# EAGLE board Mk4 Final Panel (EAGLE 9.0.1), part 11 of 18 (continued)
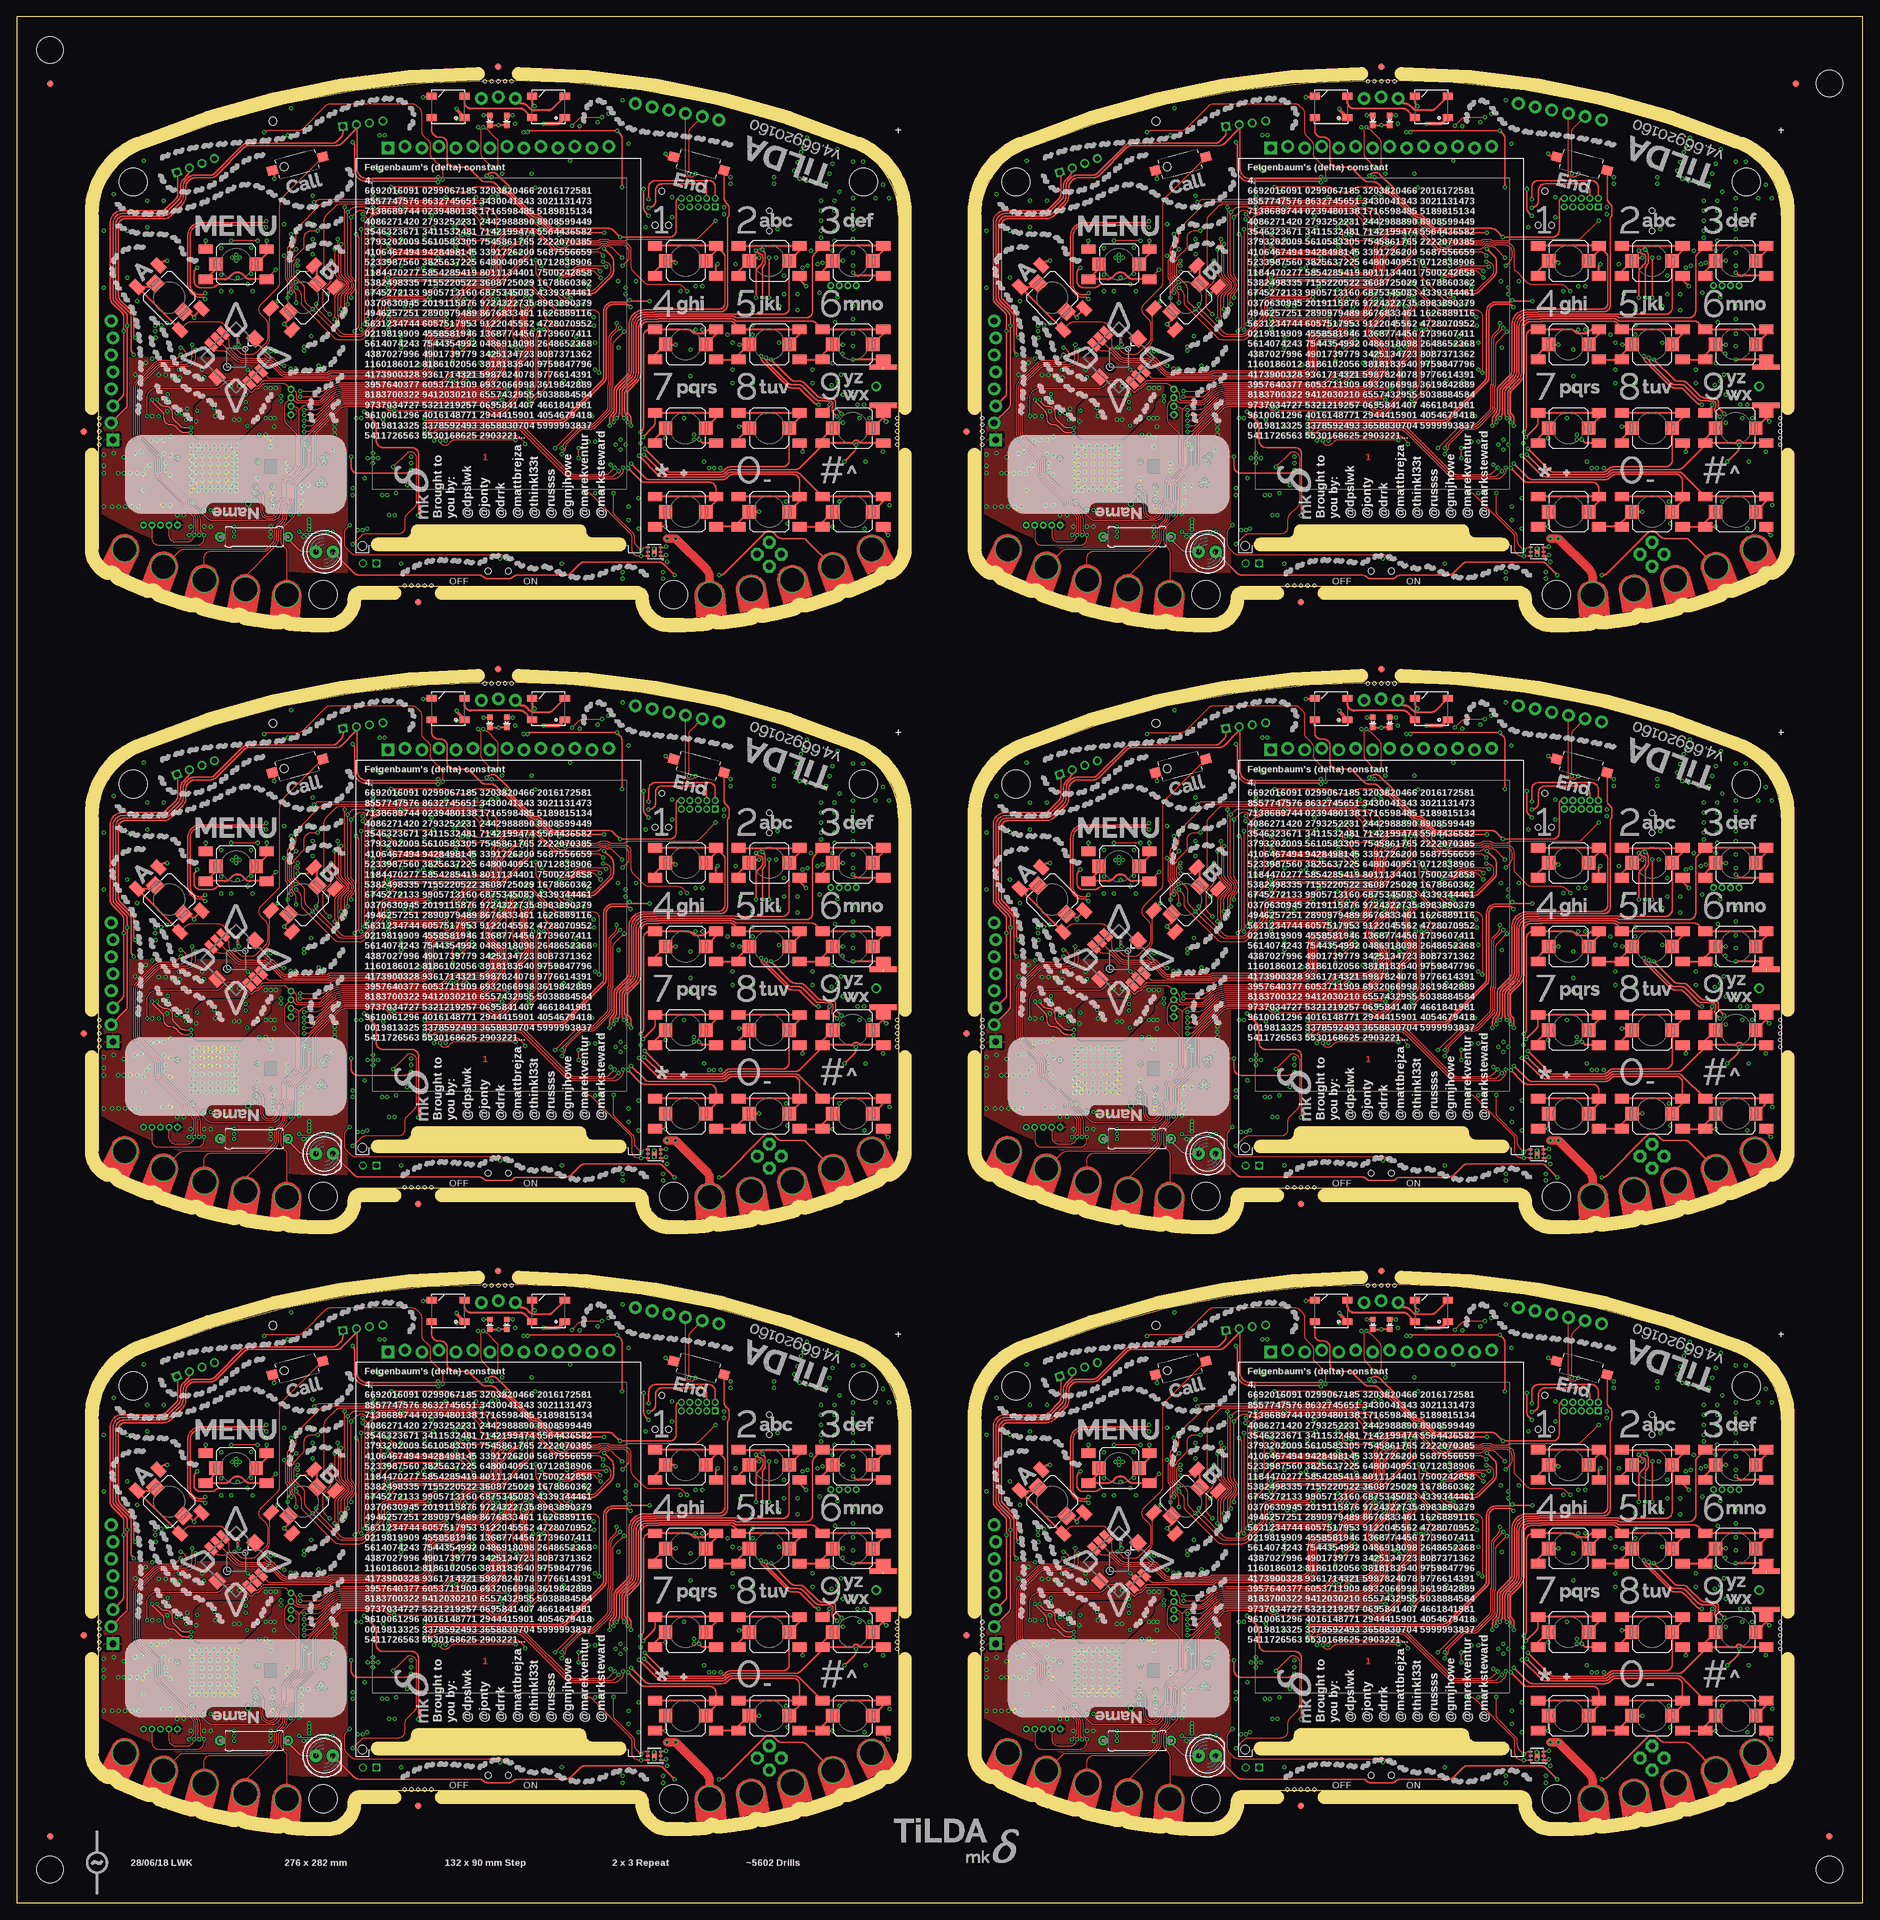
[diagram p0: board, top side]
## Tracks (layer width: path | path; a pad name or v marks a point on that pad's centre or on a via) (continued)
LED2_R5  (via drill 0.3)
  Top 0.25: LED34.A v201.83,267.25
  Bottom 0.25: v201.83,267.25 201.9,267.25 202.48,267.25 R396.1
LED3  (via drill 0.3)
  Top 0.15: v204,79.5 204,83.09 arc45 203.71,83.79 202.38,85.12 202.24,85.12 201.86,85.5 v201.75,85.5
  Bottom 0.15: IC20.86 206.2,73.22 arc90 205.5,73.92 arc-90 205,74.42 205,75.29 arc45 204.71,75.99 204.29,76.41 arc-45 204,77.11 v204,79.5 | R83.2 204.79,85.52 arc-45 204.08,85.22 202.03,85.22 v201.75,85.5
LED4  (via drill 0.3)
  Top 0.15: v203,79.55 201.75,80.8 arc-45 201.46,81.5 201.46,85.04 v201,85.5
  Bottom 0.15: IC20.85 205.8,73.33 arc90 205.5,73.62 205.2,73.62 arc-90 204.7,74.12 204.7,75.14 arc45 204.41,75.84 203.99,76.26 arc-45 203.7,76.96 203.7,78.14 arc45 203.41,78.84 203.21,79.04 arc-45 v203,79.55 | R84.2 201.99,86 201.97,86.03 201.73,86.03 arc45 201.38,85.88 v201,85.5
LED5  (via drill 0.3)
  Top 0.15: v72,169.5 72,173.09 arc45 71.71,173.79 70.38,175.12 70.24,175.12 69.86,175.5 v69.75,175.5
  Bottom 0.15: IC38.86 74.2,163.22 arc90 73.5,163.93 arc-90 73,164.43 73,165.29 arc45 72.71,165.99 72.29,166.41 arc-45 72,167.11 v72,169.5 | R161.2 72.79,175.52 arc-45 72.08,175.22 70.03,175.22 v69.75,175.5
LED5_R
  Top 0.25: R11.1 40.58,23.92 42.21,22.29 arc45 42.91,22 44.5,22 44.58,21.92 44.65,21.92 LED5.A
LED5_R1
  Top 0.25: R95.1 172.58,23.92 174.21,22.29 arc45 174.91,22 176.5,22 176.58,21.92 176.65,21.92 LED11.A
LED5_R2
  Top 0.25: R173.1 40.58,113.92 42.21,112.29 arc45 42.91,112 44.5,112 44.58,111.92 44.65,111.92 LED17.A
LED5_R3
  Top 0.25: R251.1 172.58,113.92 174.21,112.29 arc45 174.91,112 176.5,112 176.58,111.92 176.65,111.92 LED23.A
LED5_R4
  Top 0.25: R329.1 40.58,203.92 42.21,202.29 arc45 42.91,202 44.5,202 44.58,201.92 44.65,201.92 LED29.A
LED5_R5
  Top 0.25: R407.1 172.58,203.92 174.21,202.29 arc45 174.91,202 176.5,202 176.58,201.92 176.65,201.92 LED35.A
LED6  (via drill 0.3)
  Top 0.15: v71,169.55 69.75,170.8 arc-45 69.46,171.5 69.46,175.04 v69,175.5
  Bottom 0.15: IC38.85 73.8,163.32 arc90 73.5,163.62 73.2,163.62 arc-90 72.7,164.12 72.7,165.14 arc45 72.41,165.84 71.99,166.26 arc-45 71.7,166.96 71.7,168.14 arc45 71.41,168.84 71.21,169.04 arc-45 v71,169.55 | R162.2 69.99,176 69.97,176.03 69.73,176.03 arc45 69.38,175.88 v69,175.5
LED7  (via drill 0.3)
  Top 0.15: v204,169.5 204,173.09 arc45 203.71,173.79 202.38,175.12 202.24,175.12 201.86,175.5 v201.75,175.5
  Bottom 0.15: IC56.86 206.2,163.22 arc90 205.5,163.93 arc-90 205,164.43 205,165.29 arc45 204.71,165.99 204.29,166.41 arc-45 204,167.11 v204,169.5 | R239.2 204.79,175.52 arc-45 204.08,175.22 202.03,175.22 v201.75,175.5
LED8  (via drill 0.3)
  Top 0.15: v203,169.55 201.75,170.8 arc-45 201.46,171.5 201.46,175.04 v201,175.5
  Bottom 0.15: IC56.85 205.8,163.32 arc90 205.5,163.62 205.2,163.62 arc-90 204.7,164.12 204.7,165.14 arc45 204.41,165.84 203.99,166.26 arc-45 203.7,166.96 203.7,168.14 arc45 203.41,168.84 203.21,169.04 arc-45 v203,169.55 | R240.2 201.99,176 201.97,176.03 201.73,176.03 arc45 201.38,175.88 v201,175.5
LED9  (via drill 0.3)
  Top 0.15: v72,259.5 72,263.09 arc45 71.71,263.79 70.38,265.12 70.24,265.12 69.86,265.5 v69.75,265.5
  Bottom 0.15: IC74.86 74.2,253.22 arc90 73.5,253.93 arc-90 73,254.43 73,255.29 arc45 72.71,255.99 72.29,256.41 arc-45 72,257.11 v72,259.5 | R317.2 72.79,265.52 arc-45 72.08,265.23 70.03,265.23 v69.75,265.5
LED10  (via drill 0.3)
  Top 0.15: v71,259.55 69.75,260.8 arc-45 69.46,261.5 69.46,265.04 v69,265.5
  Bottom 0.15: IC74.85 73.8,253.32 arc90 73.5,253.62 73.2,253.62 arc-90 72.7,254.12 72.7,255.14 arc45 72.41,255.84 71.99,256.26 arc-45 71.7,256.96 71.7,258.14 arc45 71.41,258.84 71.21,259.04 arc-45 v71,259.55 | R318.2 69.99,266 69.97,266.02 69.73,266.02 arc45 69.38,265.88 v69,265.5
LED11  (via drill 0.3)
  Top 0.15: v204,259.5 204,263.09 arc45 203.71,263.79 202.38,265.12 202.24,265.12 201.86,265.5 v201.75,265.5
  Bottom 0.15: IC92.86 206.2,253.22 arc90 205.5,253.93 arc-90 205,254.43 205,255.29 arc45 204.71,255.99 204.29,256.41 arc-45 204,257.11 v204,259.5 | R395.2 204.79,265.52 arc-45 204.08,265.23 202.03,265.23 v201.75,265.5
LED12  (via drill 0.3)
  Top 0.15: v203,259.55 201.75,260.8 arc-45 201.46,261.5 201.46,265.04 v201,265.5
  Bottom 0.15: IC92.85 205.8,253.32 arc90 205.5,253.62 205.2,253.62 arc-90 204.7,254.12 204.7,255.14 arc45 204.41,255.84 203.99,256.26 arc-45 203.7,256.96 203.7,258.14 arc45 203.41,258.84 203.21,259.04 arc-45 v203,259.55 | R396.2 201.99,266 201.97,266.02 201.73,266.02 arc45 201.38,265.88 v201,265.5
LEDK
  pour Bottom (no thermals): 81.3,51.7 81.3,51.3 84.6,51.3 84.7,51.3 85.35,50.65 85.55,50.65 87.55,50.65 87.55,51.5 84.9,51.5 84.7,51.7
LEDK1
  Bottom 0.25: J2.2 83.75,49.34 arc-45 84.04,50.04 R47.2
LEDK2
  Bottom 0.25: J2.3 83.25,49.9 arc-45 R48.2
LEDK3
  Bottom 0.25: J2.4 82.75,49.9 arc45 R49.2
LEDK4
  Bottom 0.25: J2.5 82.25,49.34 arc45 81.96,50.04 R44.2
LEDK5
  Bottom 0.25: J6.2 215.75,49.34 arc-45 216.04,50.04 R79.2
LEDK6
  Bottom 0.25: J6.3 215.25,49.9 arc-45 R80.2
LEDK7
  Bottom 0.25: J6.4 214.75,49.9 arc45 R81.2
LEDK8
  Bottom 0.25: J6.5 214.25,49.34 arc45 213.96,50.04 R82.2
LEDK9
  pour Bottom (no thermals): 213.3,51.7 213.3,51.3 216.6,51.3 216.7,51.3 217.35,50.65 217.55,50.65 219.55,50.65 219.55,51.5 216.9,51.5 216.7,51.7
LEDK10
  Bottom 0.25: J21.2 83.75,139.34 arc-45 84.04,140.04 R157.2
LEDK11
  Bottom 0.25: J21.3 83.25,139.9 arc-45 R158.2
LEDK12
  Bottom 0.25: J21.4 82.75,139.9 arc45 R159.2
LEDK13
  Bottom 0.25: J21.5 82.25,139.34 arc45 81.96,140.04 R160.2
LEDK14
  pour Bottom (no thermals): 81.3,141.7 81.3,141.3 84.6,141.3 84.7,141.3 85.35,140.65 85.55,140.65 87.55,140.65 87.55,141.5 84.9,141.5 84.7,141.7
LEDK15
  Bottom 0.25: J31.2 215.75,139.34 arc-45 216.04,140.04 R235.2
LEDK16
  Bottom 0.25: J31.3 215.25,139.9 arc-45 R236.2
LEDK17
  Bottom 0.25: J31.4 214.75,139.9 arc45 R237.2
LEDK18
  Bottom 0.25: J31.5 214.25,139.34 arc45 213.96,140.04 R238.2
LEDK19
  pour Bottom (no thermals): 213.3,141.7 213.3,141.3 216.6,141.3 216.7,141.3 217.35,140.65 217.55,140.65 219.55,140.65 219.55,141.5 216.9,141.5 216.7,141.7
LEDK20
  Bottom 0.25: J41.2 83.75,229.34 arc-45 84.04,230.04 R313.2
LEDK21
  Bottom 0.25: J41.3 83.25,229.9 arc-45 R314.2
LEDK22
  Bottom 0.25: J41.4 82.75,229.9 arc45 R315.2
LEDK23
  Bottom 0.25: J41.5 82.25,229.34 arc45 81.96,230.04 R316.2
LEDK24
  pour Bottom (no thermals): 81.3,231.7 81.3,231.3 84.6,231.3 84.7,231.3 85.35,230.65 85.55,230.65 87.55,230.65 87.55,231.5 84.9,231.5 84.7,231.7
LEDK25
  Bottom 0.25: J51.2 215.75,229.34 arc-45 216.04,230.04 R391.2
LEDK26
  Bottom 0.25: J51.3 215.25,229.9 arc-45 R392.2
LEDK27
  Bottom 0.25: J51.4 214.75,229.9 arc45 R393.2
LEDK28
  Bottom 0.25: J51.5 214.25,229.34 arc45 213.96,230.04 R394.2
LEDK29
  pour Bottom (no thermals): 213.3,231.7 213.3,231.3 216.6,231.3 216.7,231.3 217.35,230.65 217.55,230.65 219.55,230.65 219.55,231.5 216.9,231.5 216.7,231.7
MIC_MUX_N
  Bottom 0.2: IC12.11 103,70.5 102.79,70.71 arc45 102.09,71 101.46,71 arc90 100.46,70 IC12.9 100.46,67.5 arc90 101.46,66.5 102.65,66.5 arc-90 103.65,65.5 103.65,62.22 103.58,62.15 103.58,61.3 103.58,61.2 103.58,61.18 103.58,60.85 arc90 104.6,59.83 105.3,59.83 arc-90 106.03,59.1 106.03,56.7 arc-90 105.75,56.42 105.33,56.85 IC5.10
MIC_MUX_N1
  Bottom 0.2: IC27.11 235,70.5 234.79,70.71 arc45 234.09,71 233.46,71 arc90 232.46,70 IC27.9 232.46,67.5 arc90 233.46,66.5 234.65,66.5 arc-90 235.65,65.5 235.65,62.22 235.57,62.15 235.57,61.3 235.57,61.2 235.57,61.18 235.57,60.85 arc90 236.6,59.83 237.3,59.83 arc-90 238.03,59.1 238.03,56.7 arc-90 237.75,56.42 237.32,56.85 IC21.10
MIC_MUX_N2
  Bottom 0.2: IC45.11 103,160.5 102.79,160.71 arc45 102.09,161 101.46,161 arc90 100.46,160 IC45.9 100.46,157.5 arc90 101.46,156.5 102.65,156.5 arc-90 103.65,155.5 103.65,152.22 103.58,152.15 103.58,151.3 103.58,151.2 103.58,151.18 103.58,150.85 arc90 104.6,149.82 105.3,149.82 arc-90 106.03,149.1 106.03,146.7 arc-90 105.75,146.43 105.33,146.85 IC39.10
MIC_MUX_N3
  Bottom 0.2: IC63.11 235,160.5 234.79,160.71 arc45 234.09,161 233.46,161 arc90 232.46,160 IC63.9 232.46,157.5 arc90 233.46,156.5 234.65,156.5 arc-90 235.65,155.5 235.65,152.22 235.57,152.15 235.57,151.3 235.57,151.2 235.57,151.18 235.57,150.85 arc90 236.6,149.82 237.3,149.82 arc-90 238.03,149.1 238.03,146.7 arc-90 237.75,146.43 237.32,146.85 IC57.10
MIC_MUX_N4
  Bottom 0.2: IC81.11 103,250.5 102.79,250.71 arc45 102.09,251 101.46,251 arc90 100.46,250 IC81.9 100.46,247.5 arc90 101.46,246.5 102.65,246.5 arc-90 103.65,245.5 103.65,242.22 103.58,242.15 103.58,241.3 103.58,241.2 103.58,241.18 103.58,240.85 arc90 104.6,239.82 105.3,239.82 arc-90 106.03,239.1 106.03,236.7 arc-90 105.75,236.43 105.33,236.85 IC75.10
MIC_MUX_N5
  Bottom 0.2: IC99.11 235,250.5 234.79,250.71 arc45 234.09,251 233.46,251 arc90 232.46,250 IC99.9 232.46,247.5 arc90 233.46,246.5 234.65,246.5 arc-90 235.65,245.5 235.65,242.22 235.57,242.15 235.57,241.3 235.57,241.2 235.57,241.18 235.57,240.85 arc90 236.6,239.82 237.3,239.82 arc-90 238.03,239.1 238.03,236.7 arc-90 237.75,236.43 237.32,236.85 IC93.10
MIC_MUX_P
  Bottom 0.2: IC12.1 106.81,63 arc-90 105.81,62 105.27,62 arc-90 104.27,63 IC12.3 104.27,62.34 104.22,62.29 arc45 103.92,61.59 103.92,61.3 103.92,60.85 arc90 104.6,60.17 105.3,60.17 arc-90 106.38,59.1 106.38,56.7 arc-90 105.75,56.08 105.42,55.75 IC5.9
MIC_MUX_P1
  Bottom 0.2: IC27.1 238.81,63 arc-90 237.81,62 237.27,62 arc-90 236.27,63 IC27.3 236.27,62.34 236.22,62.29 arc45 235.93,61.59 235.93,61.3 235.93,60.85 arc90 236.6,60.17 237.3,60.17 arc-90 238.38,59.1 238.38,56.7 arc-90 237.75,56.08 237.43,55.75 IC21.9
MIC_MUX_P2
  Bottom 0.2: IC45.1 106.81,153 arc-90 105.81,152 105.27,152 arc-90 104.27,153 IC45.3 104.27,152.34 104.22,152.29 arc45 103.92,151.59 103.92,151.3 103.92,150.85 arc90 104.6,150.18 105.3,150.18 arc-90 106.38,149.1 106.38,146.7 arc-90 105.75,146.07 105.42,145.75 IC39.9
MIC_MUX_P3
  Bottom 0.2: IC63.1 238.81,153 arc-90 237.81,152 237.27,152 arc-90 236.27,153 IC63.3 236.27,152.34 236.22,152.29 arc45 235.93,151.59 235.93,151.3 235.93,150.85 arc90 236.6,150.18 237.3,150.18 arc-90 238.38,149.1 238.38,146.7 arc-90 237.75,146.07 237.43,145.75 IC57.9
MIC_MUX_P4
  Bottom 0.2: IC81.1 106.81,243 arc-90 105.81,242 105.27,242 arc-90 104.27,243 IC81.3 104.27,242.34 104.22,242.29 arc45 103.92,241.59 103.92,241.3 103.92,240.85 arc90 104.6,240.18 105.3,240.18 arc-90 106.38,239.1 106.38,236.7 arc-90 105.75,236.07 105.42,235.75 IC75.9
MIC_MUX_P5
  Bottom 0.2: IC99.1 238.81,243 arc-90 237.81,242 237.27,242 arc-90 236.27,243 IC99.3 236.27,242.34 236.22,242.29 arc45 235.93,241.59 235.93,241.3 235.93,240.85 arc90 236.6,240.18 237.3,240.18 arc-90 238.38,239.1 238.38,236.7 arc-90 237.75,236.07 237.43,235.75 IC93.9
MIC_N
  Bottom 0.2: C56.2 C53.1 | C52.2 C55.1 | C52.2 C56.2 | U4.- 108.03,81.25 108.6,81.83 109.33,81.83 arc-90 109.83,81.33 109.83,78.33 C52.2 | C56.2 109.83,76.67 109.83,76.21 arc-45 109.68,75.85 109.67,75.85 arc45 109.53,75.49 S22.6
MIC_N1
  Bottom 0.2: C163.2 C160.1 | C159.2 C162.1 | C159.2 C163.2 | U3.- 240.03,81.25 240.6,81.83 241.32,81.83 arc-90 241.82,81.33 241.82,78.33 C159.2 | C163.2 241.82,76.67 241.82,76.21 arc-45 241.68,75.85 241.67,75.85 arc45 241.53,75.49 S42.6
MIC_N2
  Bottom 0.2: C271.2 C268.1 | C267.2 C270.1 | C267.2 C271.2 | U8.- 108.03,171.25 108.6,171.82 109.33,171.82 arc-90 109.83,171.32 109.83,168.32 C267.2 | C271.2 109.83,166.68 109.83,166.21 arc-45 109.68,165.85 109.67,165.85 arc45 109.53,165.49 S63.6
MIC_N3
  Bottom 0.2: C379.2 C376.1 | C375.2 C378.1 | C375.2 C379.2 | U11.- 240.03,171.25 240.6,171.82 241.32,171.82 arc-90 241.82,171.32 241.82,168.32 C375.2 | C379.2 241.82,166.68 241.82,166.21 arc-45 241.68,165.85 241.67,165.85 arc45 241.53,165.49 S84.6
MIC_N4
  Bottom 0.2: C487.2 C484.1 | C483.2 C486.1 | C483.2 C487.2 | U14.- 108.03,261.25 108.6,261.82 109.33,261.82 arc-90 109.83,261.32 109.83,258.32 C483.2 | C487.2 109.83,256.68 109.83,256.21 arc-45 109.68,255.85 109.67,255.85 arc45 109.53,255.49 S105.6
MIC_N5
  Bottom 0.2: C595.2 C592.1 | C591.2 C594.1 | C591.2 C595.2 | U17.- 240.03,261.25 240.6,261.82 241.32,261.82 arc-90 241.82,261.32 241.82,258.32 C591.2 | C595.2 241.82,256.68 241.82,256.21 arc-45 241.68,255.85 241.67,255.85 arc45 241.53,255.49 S126.6
MIC_P
  Bottom 0.2: C52.1 C54.1 | C56.1 C57.1 | C52.1 C56.1 | U4.+ 108.03,82.75 108.6,82.17 109.42,82.17 arc-90 110.17,81.42 110.17,78.35 110.5,78.03 C52.1 | C56.1 110.17,76.67 110.17,76.21 arc45 110.32,75.85 112.03,74.15 arc45 112.38,74 S22.3
MIC_P1
  Bottom 0.2: C159.1 C161.1 | C163.1 C164.1 | C159.1 C163.1 | U3.+ 240.03,82.75 240.6,82.17 241.43,82.17 arc-90 242.18,81.42 242.18,78.35 242.5,78.03 C159.1 | C163.1 242.18,76.67 242.18,76.21 arc45 242.32,75.85 244.03,74.15 arc45 244.38,74 S42.3
MIC_P2
  Bottom 0.2: C267.1 C269.1 | C271.1 C272.1 | C267.1 C271.1 | U8.+ 108.03,172.75 108.6,172.18 109.42,172.18 arc-90 110.17,171.43 110.17,168.35 110.5,168.03 C267.1 | C271.1 110.17,166.68 110.17,166.21 arc45 110.32,165.85 112.03,164.15 arc45 112.38,164 S63.3
MIC_P3
  Bottom 0.2: C375.1 C377.1 | C379.1 C380.1 | C375.1 C379.1 | U11.+ 240.03,172.75 240.6,172.18 241.43,172.18 arc-90 242.18,171.43 242.18,168.35 242.5,168.03 C375.1 | C379.1 242.18,166.68 242.18,166.21 arc45 242.32,165.85 244.03,164.15 arc45 244.38,164 S84.3
MIC_P4
  Bottom 0.2: C483.1 C485.1 | C487.1 C488.1 | C483.1 C487.1 | U14.+ 108.03,262.75 108.6,262.18 109.42,262.18 arc-90 110.17,261.43 110.17,258.35 110.5,258.02 C483.1 | C487.1 110.17,256.68 110.17,256.21 arc45 110.32,255.85 112.03,254.15 arc45 112.38,254 S105.3
MIC_P5
  Bottom 0.2: C591.1 C593.1 | C595.1 C596.1 | C591.1 C595.1 | U17.+ 240.03,262.75 240.6,262.18 241.43,262.18 arc-90 242.18,261.43 242.18,258.35 242.5,258.02 C591.1 | C595.1 242.18,256.68 242.18,256.21 arc45 242.32,255.85 244.03,254.15 arc45 244.38,254 S126.3
MIC_PWM_AMP
  Bottom 0.15: C79.1 92.03,69.72 IC11.1 | IC11.2 92.67,67.22 92.9,67
  Bottom 0.2: C81.2 C80.2 92.9,67 | IC11.1 IC11.2
MIC_PWM_AMP1
  Bottom 0.15: C180.1 224.03,69.72 IC26.1 | IC26.2 224.68,67.22 224.9,67
  Bottom 0.2: C182.2 C181.2 224.9,67 | IC26.1 IC26.2
MIC_PWM_AMP2
  Bottom 0.15: C288.1 92.03,159.72 IC44.1 | IC44.2 92.67,157.22 92.9,157
  Bottom 0.2: C290.2 C289.2 92.9,157 | IC44.1 IC44.2
MIC_PWM_AMP3
  Bottom 0.15: C396.1 224.03,159.72 IC62.1 | IC62.2 224.68,157.22 224.9,157
  Bottom 0.2: C398.2 C397.2 224.9,157 | IC62.1 IC62.2
MIC_PWM_AMP4
  Bottom 0.15: C504.1 92.03,249.72 IC80.1 | IC80.2 92.67,247.22 92.9,247
  Bottom 0.2: C506.2 C505.2 92.9,247 | IC80.1 IC80.2
MIC_PWM_AMP5
  Bottom 0.15: C612.1 224.03,249.72 IC98.1 | IC98.2 224.68,247.22 224.9,247
  Bottom 0.2: C614.2 C613.2 224.9,247 | IC98.1 IC98.2
MIC_PWM_AMP_+
  Bottom 0.15: IC11.3 93.33,69.22 arc45 93.18,69.57 C78.2
  Bottom 0.2: C78.2 R52.2
MIC_PWM_AMP_+1
  Bottom 0.15: IC26.3 225.32,69.22 arc45 225.18,69.57 C179.2
  Bottom 0.2: C179.2 R130.2
MIC_PWM_AMP_+2
  Bottom 0.15: IC44.3 93.33,159.22 arc45 93.18,159.57 C287.2
  Bottom 0.2: C287.2 R208.2
MIC_PWM_AMP_+3
  Bottom 0.15: IC62.3 225.32,159.22 arc45 225.18,159.57 C395.2
  Bottom 0.2: C395.2 R286.2
MIC_PWM_AMP_+4
  Bottom 0.15: IC80.3 93.33,249.22 arc45 93.18,249.57 C503.2
  Bottom 0.2: C503.2 R364.2
MIC_PWM_AMP_+5
  Bottom 0.15: IC98.3 225.32,249.22 arc45 225.18,249.57 C611.2
  Bottom 0.2: C611.2 R442.2
MIC_PWM_N
  Bottom 0.2: IC12.8 99.19,68 arc-90 98.19,67 R54.1 C80.1
MIC_PWM_N1
  Bottom 0.2: IC27.8 231.19,68 arc-90 230.19,67 R132.1 C181.1
MIC_PWM_N2
  Bottom 0.2: IC45.8 99.19,158 arc-90 98.19,157 R210.1 C289.1
MIC_PWM_N3
  Bottom 0.2: IC63.8 231.19,158 arc-90 230.19,157 R288.1 C397.1
MIC_PWM_N4
  Bottom 0.2: IC81.8 99.19,248 arc-90 98.19,247 R366.1 C505.1
MIC_PWM_N5
  Bottom 0.2: IC99.8 231.19,248 arc-90 230.19,247 R444.1 C613.1
MIC_PWM_P
  Bottom 0.2: IC12.4 103,65 arc90 102,66 R54.2 C81.1
MIC_PWM_P1
  Bottom 0.2: IC27.4 235,65 arc90 234,66 R132.2 C182.1
MIC_PWM_P2
  Bottom 0.2: IC45.4 103,155 arc90 102,156 R210.2 C290.1
MIC_PWM_P3
  Bottom 0.2: IC63.4 235,155 arc90 234,156 R288.2 C398.1
MIC_PWM_P4
  Bottom 0.2: IC81.4 103,245 arc90 102,246 R366.2 C506.1
MIC_PWM_P5
  Bottom 0.2: IC99.4 235,245 arc90 234,246 R444.2 C614.1
MIC_PWM_R
  Bottom 0.2: R53.1 C79.2 R52.1
MIC_PWM_R1
  Bottom 0.2: R131.1 C180.2 R130.1
MIC_PWM_R2
  Bottom 0.2: R209.1 C288.2 R208.1
MIC_PWM_R3
  Bottom 0.2: R287.1 C396.2 R286.1
MIC_PWM_R4
  Bottom 0.2: R365.1 C504.2 R364.1
MIC_PWM_R5
  Bottom 0.2: R443.1 C612.2 R442.1
MIC_SWITCHED_N
  Bottom 0.2: IC12.10 101.73,68 arc90 102.73,67 105.67,67 arc-45 105.81,66.94 105.94,66.81 arc45 106.08,66.75 108,66.75 108.08,66.67 108.26,66.67 arc45 108.97,66.97 109.97,67.97 arc-45 110.11,68.03 110.67,68.03 arc45 111.02,68.17 111.18,68.33 arc45 111.33,68.68 111.33,69.97 arc45 111.18,70.32 110,71.5 S22.5
MIC_SWITCHED_N1
  Bottom 0.2: IC27.10 233.73,68 arc90 234.73,67 237.67,67 arc-45 237.81,66.94 237.94,66.81 arc45 238.08,66.75 240,66.75 240.07,66.67 240.26,66.67 arc45 240.97,66.97 241.97,67.97 arc-45 242.11,68.03 242.67,68.03 arc45 243.02,68.17 243.18,68.33 arc45 243.33,68.68 243.33,69.97 arc45 243.18,70.32 242,71.5 S42.5
MIC_SWITCHED_N2
  Bottom 0.2: IC45.10 101.73,158 arc90 102.73,157 105.67,157 arc-45 105.81,156.94 105.94,156.81 arc45 106.08,156.75 108,156.75 108.08,156.68 108.26,156.68 arc45 108.97,156.97 109.97,157.97 arc-45 110.11,158.03 110.67,158.03 arc45 111.02,158.17 111.18,158.33 arc45 111.33,158.68 111.33,159.97 arc45 111.18,160.32 110,161.5 S63.5
MIC_SWITCHED_N3
  Bottom 0.2: IC63.10 233.73,158 arc90 234.73,157 237.67,157 arc-45 237.81,156.94 237.94,156.81 arc45 238.08,156.75 240,156.75 240.07,156.68 240.26,156.68 arc45 240.97,156.97 241.97,157.97 arc-45 242.11,158.03 242.67,158.03 arc45 243.02,158.17 243.18,158.33 arc45 243.33,158.68 243.33,159.97 arc45 243.18,160.32 242,161.5 S84.5
MIC_SWITCHED_N4
  Bottom 0.2: IC81.10 101.73,248 arc90 102.73,247 105.67,247 arc-45 105.81,246.94 105.94,246.81 arc45 106.08,246.75 108,246.75 108.08,246.68 108.26,246.68 arc45 108.97,246.97 109.97,247.97 arc-45 110.11,248.03 110.67,248.03 arc45 111.02,248.17 111.18,248.33 arc45 111.33,248.68 111.33,249.97 arc45 111.18,250.32 110,251.5 S105.5
MIC_SWITCHED_N5
  Bottom 0.2: IC99.10 233.73,248 arc90 234.73,247 237.67,247 arc-45 237.81,246.94 237.94,246.81 arc45 238.08,246.75 240,246.75 240.07,246.68 240.26,246.68 arc45 240.97,246.97 241.97,247.97 arc-45 242.11,248.03 242.67,248.03 arc45 243.02,248.17 243.18,248.33 arc45 243.33,248.68 243.33,249.97 arc45 243.18,250.32 242,251.5 S126.5
MIC_SWITCHED_P  (via drill 0.3)
  3V3@2 0.2: v41.06,88.32 arc-14 72,91.5 arc-7 91,90.5 arc-12 110.75,86 114,82.75 114,70.5 v113.75,70.25
  Bottom 0.2: IC12.2 105.54,66.05 arc-90 105.74,66.25 108,66.25 108.08,66.33 108.41,66.33 arc45 109.12,66.62 110.11,67.62 arc-45 110.25,67.67 110.81,67.67 arc45 111.17,67.82 111.52,68.17 arc-45 111.66,68.23 113.25,68.23 arc90 113.75,68.73 v113.75,70.25 114.5,71 115,71 115.47,71.47 S22.2 | J9.1 41.77,87.19 arc45 41.48,87.9 v41.06,88.32
MIC_SWITCHED_P1  (via drill 0.3)
  3V3@2 0.2: v173.06,88.32 arc-14 204,91.5 arc-7 223,90.5 arc-12 242.75,86 246,82.75 246,70.5 v245.75,70.25
  Bottom 0.2: IC27.2 237.54,66.05 arc-90 237.74,66.25 240,66.25 240.07,66.33 240.41,66.33 arc45 241.12,66.62 242.11,67.62 arc-45 242.25,67.67 242.81,67.67 arc45 243.17,67.82 243.51,68.17 arc-45 243.66,68.23 245.25,68.23 arc90 245.75,68.73 v245.75,70.25 246.5,71 247,71 247.47,71.47 S42.2 | J17.1 173.78,87.19 arc45 173.48,87.9 v173.06,88.32
MIC_SWITCHED_P2  (via drill 0.3)
  3V3@2 0.2: v41.06,178.32 arc-14 72,181.5 arc-7 91,180.5 arc-12 110.75,176 114,172.75 114,160.5 v113.75,160.25
  Bottom 0.2: IC45.2 105.54,156.05 arc-90 105.74,156.25 108,156.25 108.08,156.32 108.41,156.32 arc45 109.12,156.62 110.11,157.62 arc-45 110.25,157.68 110.81,157.68 arc45 111.17,157.82 111.52,158.17 arc-45 111.66,158.23 113.25,158.23 arc90 113.75,158.73 v113.75,160.25 114.5,161 115,161 115.47,161.47 S63.2 | J27.1 41.77,177.19 arc45 41.48,177.9 v41.06,178.32
MIC_SWITCHED_P3  (via drill 0.3)
  3V3@2 0.2: v173.06,178.32 arc-14 204,181.5 arc-7 223,180.5 arc-12 242.75,176 246,172.75 246,160.5 v245.75,160.25
  Bottom 0.2: IC63.2 237.54,156.05 arc-90 237.74,156.25 240,156.25 240.07,156.32 240.41,156.32 arc45 241.12,156.62 242.11,157.62 arc-45 242.25,157.68 242.81,157.68 arc45 243.17,157.82 243.51,158.17 arc-45 243.66,158.23 245.25,158.23 arc90 245.75,158.73 v245.75,160.25 246.5,161 247,161 247.47,161.47 S84.2 | J37.1 173.78,177.19 arc45 173.48,177.9 v173.06,178.32
MIC_SWITCHED_P4  (via drill 0.3)
  3V3@2 0.2: v41.06,268.32 arc-14 72,271.5 arc-7 91,270.5 arc-12 110.75,266 114,262.75 114,250.5 v113.75,250.25
  Bottom 0.2: IC81.2 105.54,246.05 arc-90 105.74,246.25 108,246.25 108.08,246.32 108.41,246.32 arc45 109.12,246.62 110.11,247.62 arc-45 110.25,247.68 110.81,247.68 arc45 111.17,247.82 111.52,248.17 arc-45 111.66,248.23 113.25,248.23 arc90 113.75,248.73 v113.75,250.25 114.5,251 115,251 115.47,251.47 S105.2 | J47.1 41.77,267.19 arc45 41.48,267.9 v41.06,268.32
MIC_SWITCHED_P5  (via drill 0.3)
  3V3@2 0.2: v173.06,268.32 arc-14 204,271.5 arc-7 223,270.5 arc-12 242.75,266 246,262.75 246,250.5 v245.75,250.25
  Bottom 0.2: IC99.2 237.54,246.05 arc-90 237.74,246.25 240,246.25 240.07,246.32 240.41,246.32 arc45 241.12,246.62 242.11,247.62 arc-45 242.25,247.68 242.81,247.68 arc45 243.17,247.82 243.51,248.17 arc-45 243.66,248.23 245.25,248.23 arc90 245.75,248.73 v245.75,250.25 246.5,251 247,251 247.47,251.47 S126.2 | J57.1 173.78,267.19 arc45 173.48,267.9 v173.06,268.32
MUX_A  (via drill 0.3)
  Top 0.15: v81.15,68.2 81.4,68.45 arc-45 81.76,68.6 81.91,68.6 arc-45 82.15,68.5 86.9,68.5 arc45 87.04,68.56 87.15,68.67 arc-45 87.29,68.72 88.31,68.72 arc-45 88.45,68.67 88.56,68.56 arc45 88.7,68.5 90.89,68.5 arc45 91.08,68.58 arc-45 91.43,68.72 101.31,68.72 arc45 102.02,69.02 v104.5,71.5
  Bottom 0.15: IC1.105 80.95,68 v81.15,68.2
  Bottom 0.2: IC12.12 104.27,71.27 v104.5,71.5 R56.1 105.54,71.29 IC12.13
MUX_A1  (via drill 0.3)
  Top 0.15: v213.15,68.2 213.4,68.45 arc-45 213.76,68.6 213.91,68.6 arc-45 214.15,68.5 218.9,68.5 arc45 219.04,68.56 219.15,68.67 arc-45 219.29,68.72 220.31,68.72 arc-45 220.45,68.67 220.56,68.56 arc45 220.7,68.5 222.89,68.5 arc45 223.08,68.58 arc-45 223.43,68.72 233.31,68.72 arc45 234.02,69.02 v236.5,71.5
  Bottom 0.15: IC20.105 212.95,68 v213.15,68.2
  Bottom 0.2: IC27.12 236.27,71.27 v236.5,71.5 R134.1 237.54,71.29 IC27.13
MUX_A2  (via drill 0.3)
  Top 0.15: v81.15,158.2 81.4,158.45 arc-45 81.76,158.6 81.91,158.6 arc-45 82.15,158.5 86.9,158.5 arc45 87.04,158.56 87.15,158.67 arc-45 87.29,158.72 88.31,158.72 arc-45 88.45,158.67 88.56,158.56 arc45 88.7,158.5 90.89,158.5 arc45 91.08,158.58 arc-45 91.43,158.72 101.31,158.72 arc45 102.02,159.02 v104.5,161.5
  Bottom 0.15: IC38.105 80.95,158 v81.15,158.2
  Bottom 0.2: IC45.12 104.27,161.27 v104.5,161.5 R212.1 105.54,161.29 IC45.13
MUX_A3  (via drill 0.3)
  Top 0.15: v213.15,158.2 213.4,158.45 arc-45 213.76,158.6 213.91,158.6 arc-45 214.15,158.5 218.9,158.5 arc45 219.04,158.56 219.15,158.67 arc-45 219.29,158.72 220.31,158.72 arc-45 220.45,158.67 220.56,158.56 arc45 220.7,158.5 222.89,158.5 arc45 223.08,158.58 arc-45 223.43,158.72 233.31,158.72 arc45 234.02,159.02 v236.5,161.5
  Bottom 0.15: IC56.105 212.95,158 v213.15,158.2
  Bottom 0.2: IC63.12 236.27,161.27 v236.5,161.5 R290.1 237.54,161.29 IC63.13
MUX_A4  (via drill 0.3)
  Top 0.15: v81.15,248.2 81.4,248.45 arc-45 81.76,248.6 81.91,248.6 arc-45 82.15,248.5 86.9,248.5 arc45 87.04,248.56 87.15,248.67 arc-45 87.29,248.72 88.31,248.72 arc-45 88.45,248.67 88.56,248.56 arc45 88.7,248.5 90.89,248.5 arc45 91.08,248.58 arc-45 91.43,248.72 101.31,248.72 arc45 102.02,249.02 v104.5,251.5
  Bottom 0.15: IC74.105 80.95,248 v81.15,248.2
  Bottom 0.2: IC81.12 104.27,251.27 v104.5,251.5 R368.1 105.54,251.29 IC81.13
MUX_A5  (via drill 0.3)
  Top 0.15: v213.15,248.2 213.4,248.45 arc-45 213.76,248.6 213.91,248.6 arc-45 214.15,248.5 218.9,248.5 arc45 219.04,248.56 219.15,248.67 arc-45 219.29,248.72 220.31,248.72 arc-45 220.45,248.67 220.56,248.56 arc45 220.7,248.5 222.89,248.5 arc45 223.08,248.58 arc-45 223.43,248.72 233.31,248.72 arc45 234.02,249.02 v236.5,251.5
  Bottom 0.15: IC92.105 212.95,248 v213.15,248.2
  Bottom 0.2: IC99.12 236.27,251.27 v236.5,251.5 R446.1 237.54,251.29 IC99.13
MUX_B  (via drill 0.3)
  Top 0.15: v100.25,61 99.54,61.71 arc45 98.84,62 94.51,62 arc-45 93.81,62.29 92.09,64.01 arc-45 91.8,64.71 91.8,67.2 arc90 90.8,68.2 88.57,68.2 arc-45 88.43,68.26 88.33,68.37 arc45 88.18,68.42 87.42,68.42 arc45 87.28,68.37 87.17,68.26 arc-45 87.03,68.2 82.31,68.2 arc45 81.95,68.05 v81.9,68
  Bottom 0.15: R55.2 v100.25,61 | IC1.106 81.5,67.6 v81.9,68
  Bottom 0.2: IC12.6 100.46,61.96 R55.2 100.31,61.75 arc45 101.02,62.04 101.27,62.3 101.3,62.3 101.73,62.73 IC12.5
MUX_B1  (via drill 0.3)
  Top 0.15: v232.25,61 231.54,61.71 arc45 230.84,62 226.51,62 arc-45 225.81,62.29 224.09,64.01 arc-45 223.8,64.71 223.8,67.2 arc90 222.8,68.2 220.57,68.2 arc-45 220.43,68.26 220.32,68.37 arc45 220.18,68.42 219.42,68.42 arc45 219.28,68.37 219.17,68.26 arc-45 219.03,68.2 214.31,68.2 arc45 213.95,68.05 v213.9,68
  Bottom 0.15: R133.2 v232.25,61 | IC20.106 213.5,67.6 v213.9,68